# Altium PCB Battery Protector.PcbDoc (part 1 of 3)
Units mm, origin at the board's own origin, x right, y up, seen from the top; angles counter-clockwise.
Board outline 80 x 160 mm, 2 copper layers (L1 - Primary, L2 - Secondary), stack 1.65 mm thick; 434 components, 253 nets, 1087 pads, 125 vias.
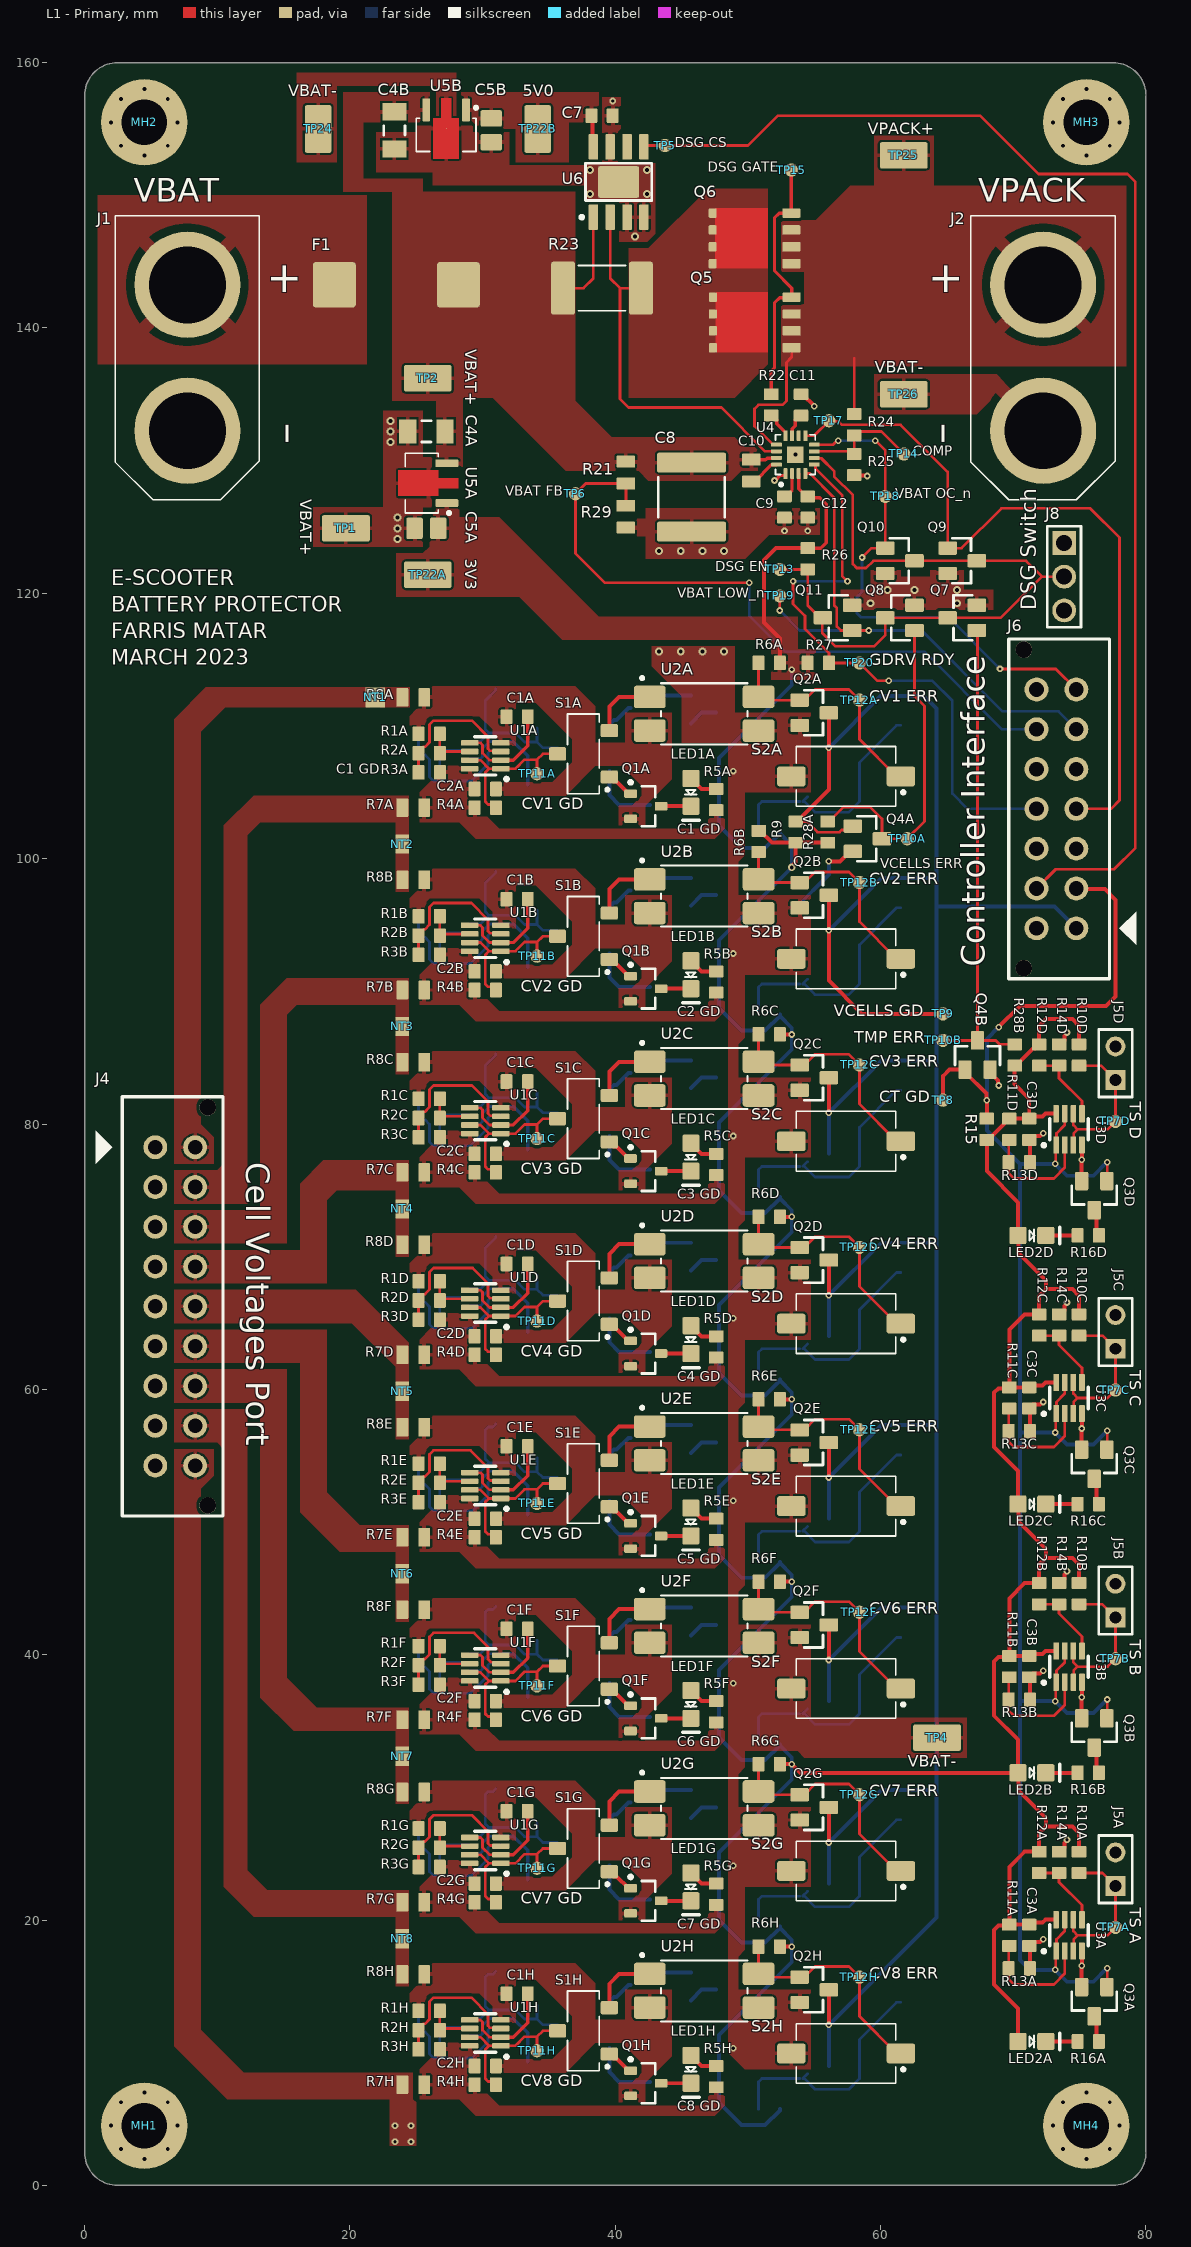
[diagram p0: L1 - Primary view]
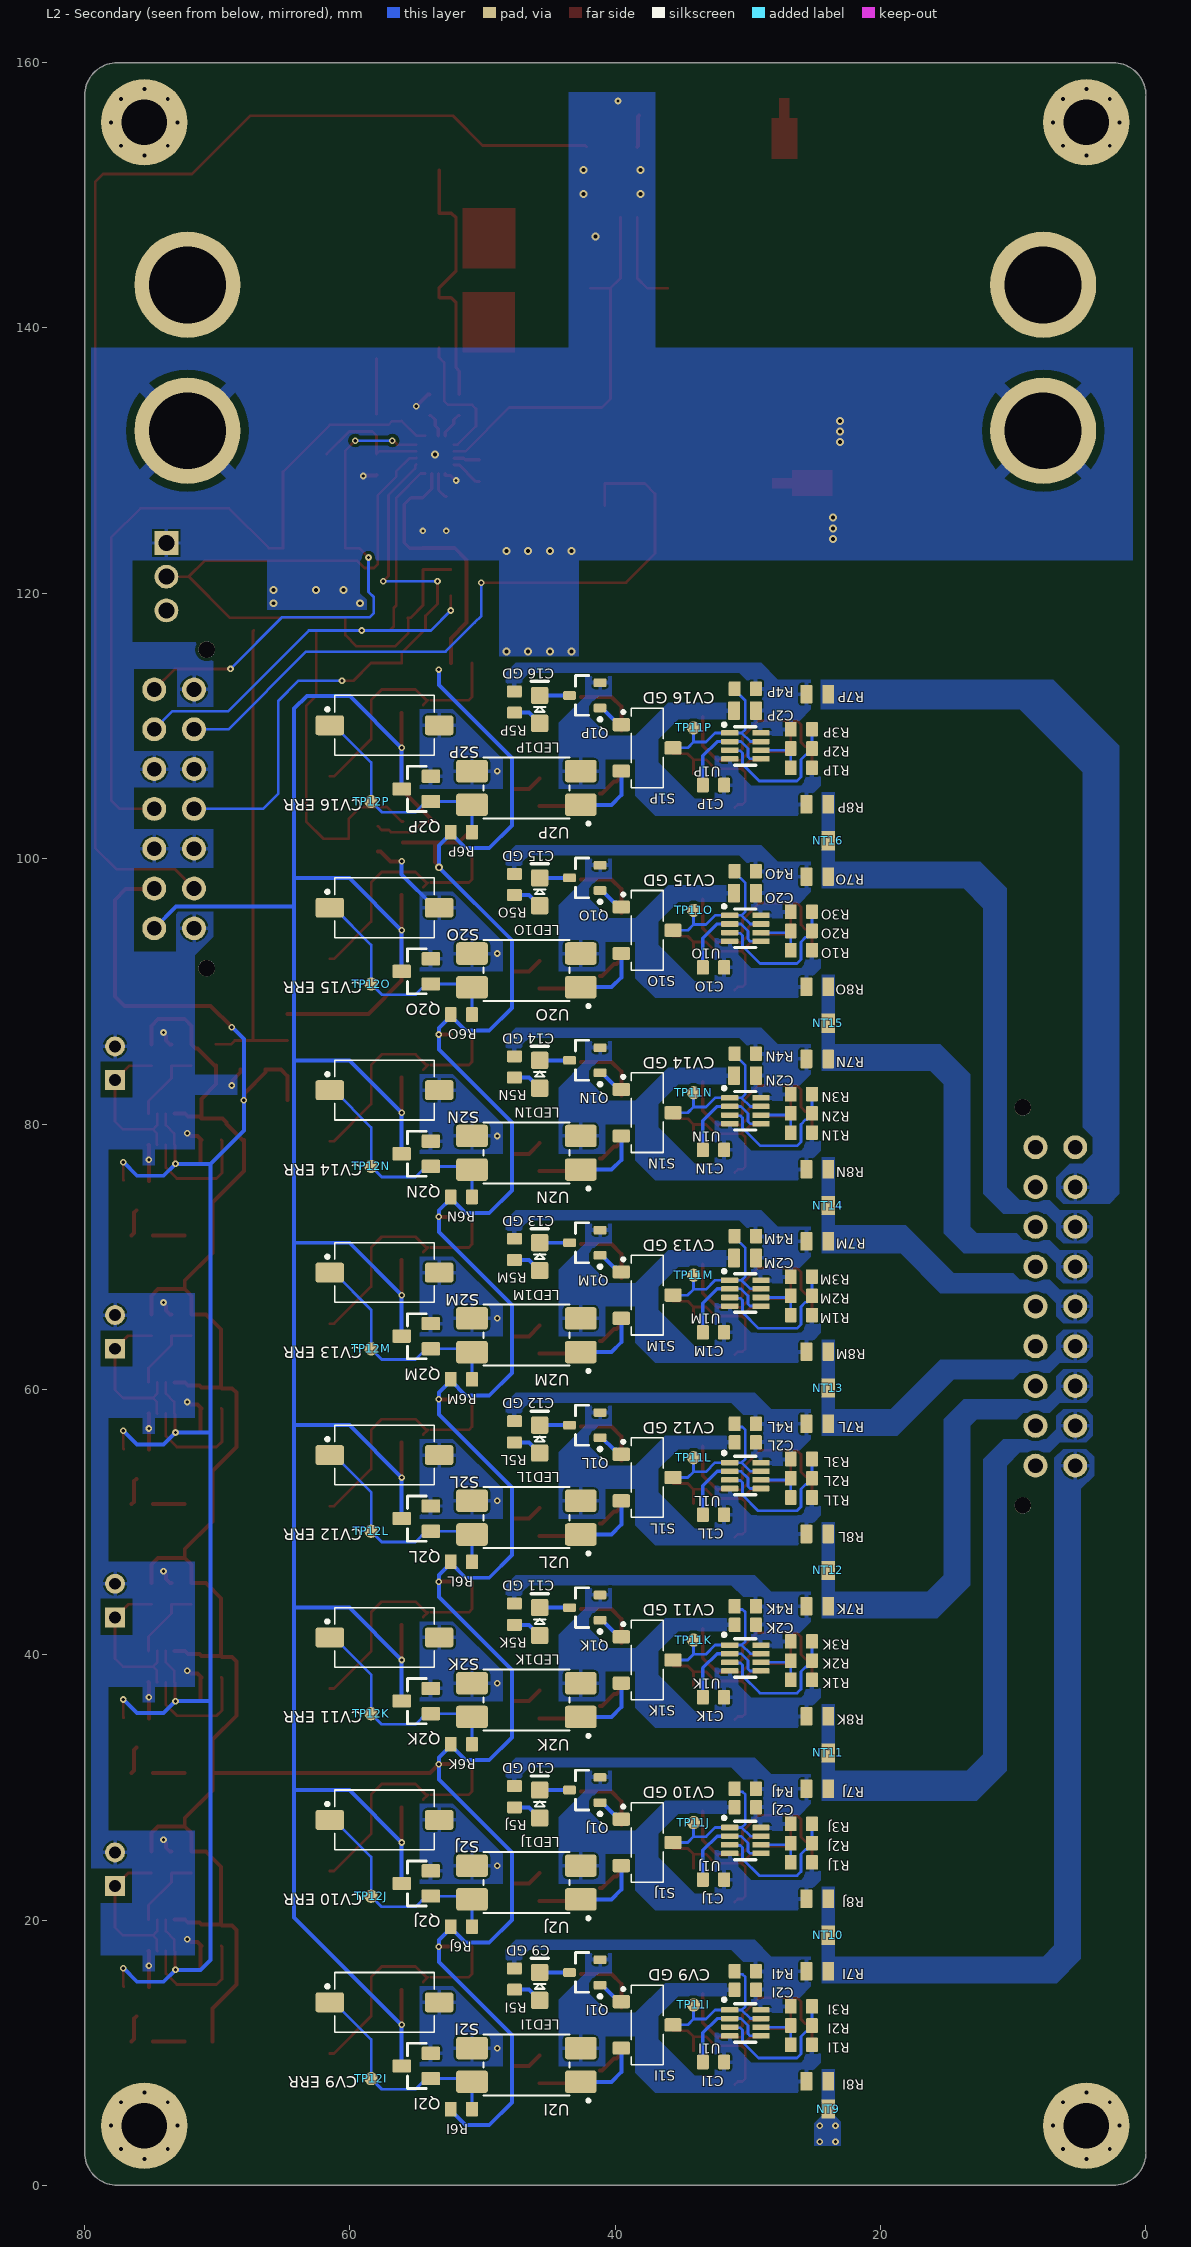
[diagram p1: L2 - Secondary view, seen from below]
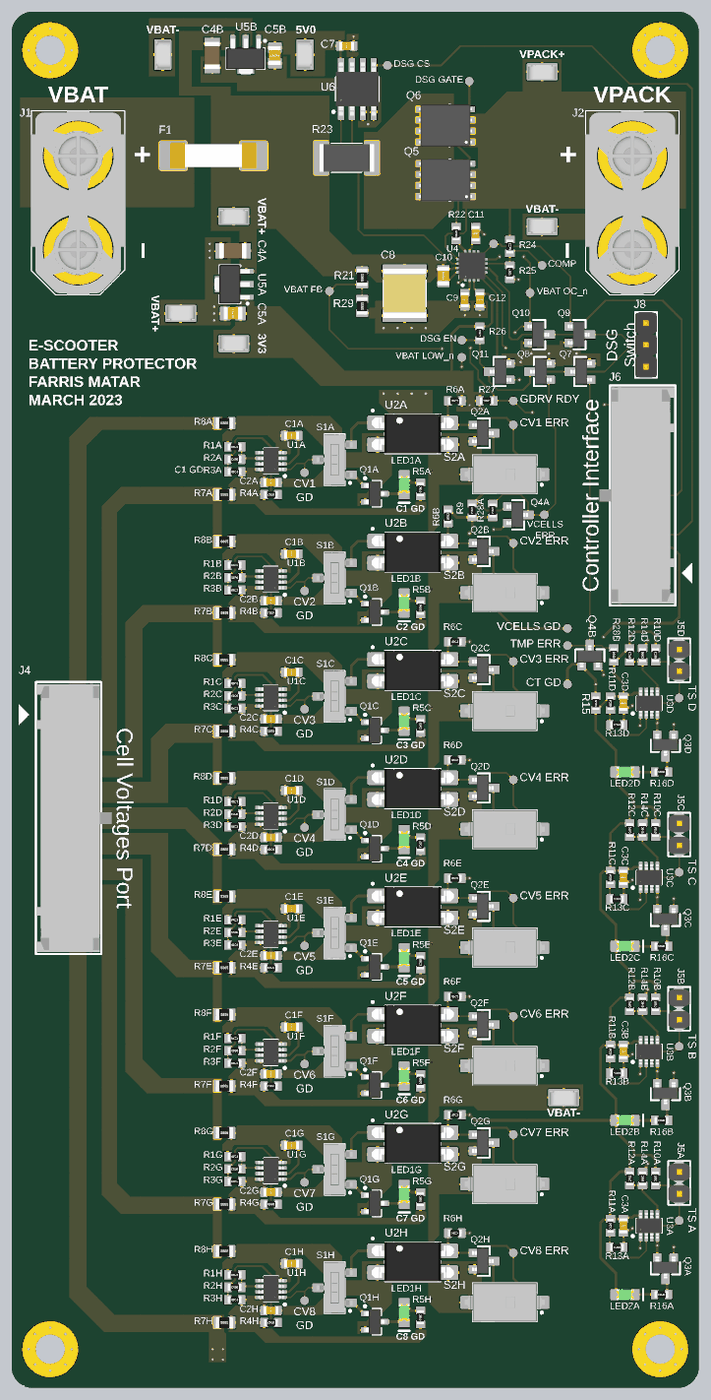
[diagram p4: 3D render of the assembled board from above, using the file's embedded part models]
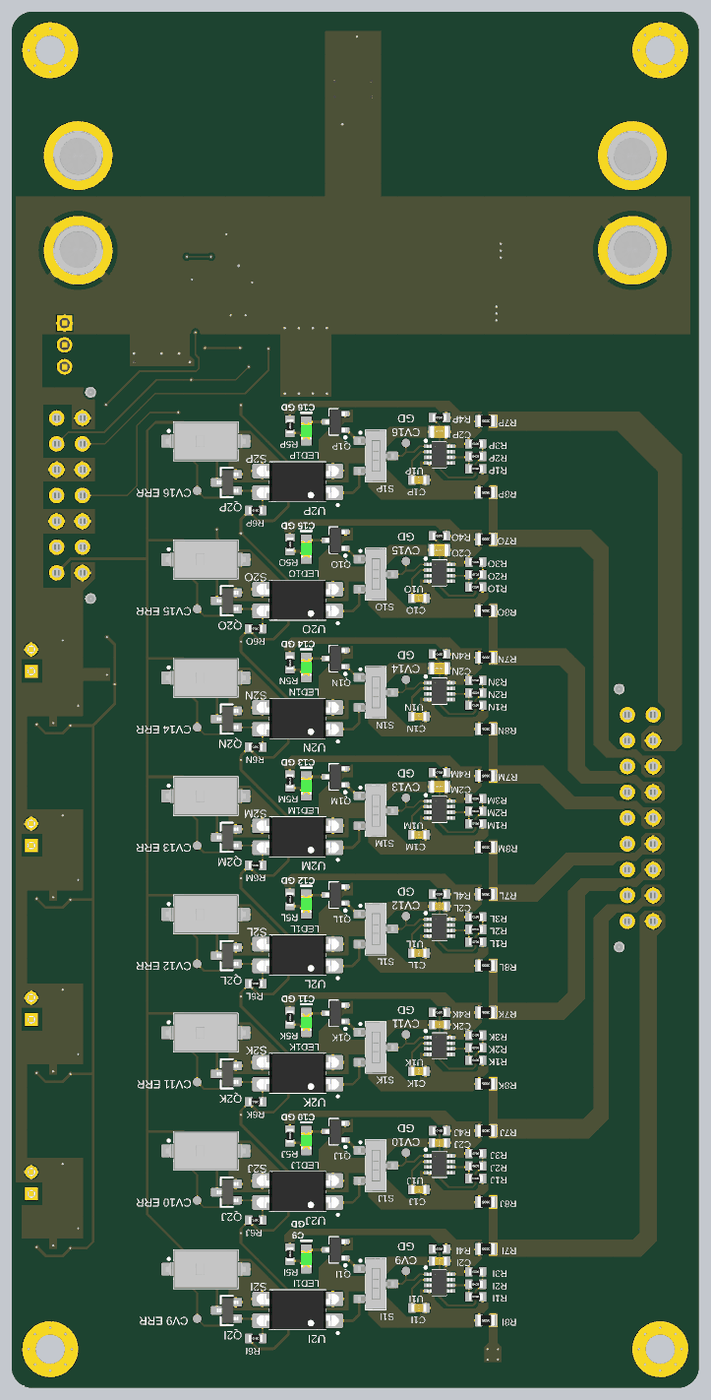
[diagram p5: 3D render of the assembled board from below, using the file's embedded part models]

## Layer stack, top to bottom
Top Solder: solder mask 0.0127, Solder Resist, Dk 3.8
L1 - Primary: signal copper 0.075
Dielectric: core 1.5, FR-4, Dk 4.5
L2 - Secondary: signal copper 0.075
Bottom Solder: solder mask 0.0127, Solder Resist, Dk 3.8

## Board outline
2.5,0 cw(c2.5,2.5) 0,2.5 0,157.5 cw(c2.5,157.5) 2.5,160 77.5,160 cw(c77.5,157.5) 80,157.5 80,2.5 cw(c77.5,2.5) 77.5,0

## Design rules (kind name [scope] priority, off if disabled: settings)
BoardOutlineClearance [All] p1: gap=0.2 ignorepadtopadclearanceinfootprint=FALSE
Clearance Clearance_NetTie [HasFootprint('NET_TIE') vs HasFootprint('NET_TIE')] p1: gap=0 ignorepadtopadclearanceinfootprint=FALSE
Clearance [All] p2: gap=0.21 ignorepadtopadclearanceinfootprint=FALSE except(0.15: SMDPad-SMDPad; 0.25: Arc-Poly Arc-Hole Track-Poly Track-Hole SMDPad-Poly SMDPad-Hole THPad-Poly THPad-Hole Via-Poly Via-Hole Fill-Poly Fill-Hole Poly-Poly Poly-Region Poly-Text Poly-Hole Region-Hole Text-Hole)
ComponentClearance [All] p1: gap=0.102 collisioncheckmode=3 verticalgap=0.102 showdistances=TRUE
DiffPairsRouting [All] p1: maxlimit=0.102 minlimit=0.102 mostfreqgap=0.102 toplayer_minwidth=0.102 toplayer_maxwidth=1816.048 toplayer_prefwidth=0.102 bottomlayer_minwidth=0.102 bottomlayer_maxwidth=1816.048 bottomlayer_prefwidth=0.102 maxuncoupledlength=12.7
Height [All] p1: minheight=0 maxheight=1816.048 prefheight=12.7
HoleSize [All] p1: absolutevalues=TRUE maxlimit=6.3 minlimit=0.2 maxpercent=80.000 minpercent=20.000
HoleToHoleClearance [All] p1: gap=0.25 allowstackedmicrovias=FALSE
MinimumAnnularRing [All] p1: minimumring=0.076
MinimumSolderMaskSliver [All] p1: minsoldermaskwidth=0
PlaneClearance [All] p1: clearance=0.102
PlaneConnect PlaneConnectPowerPads [InPadClass('PowerPads')] p1: planeconnectstyle=Direct reliefexpansion=0.508 reliefentries=4 reliefconductorwidth=0.254 reliefairgap=0.254
PlaneConnect [All] p2: pad.planeconnectstyle=Relief pad.reliefexpansion=0.3 pad.reliefentries=4 pad.reliefconductorwidth=0.102 pad.reliefairgap=0.102 via.planeconnectstyle=Direct via.reliefexpansion=0.3 via.reliefentries=4 via.reliefconductorwidth=0.127 via.reliefairgap=0.127
PolygonConnect PolygonConnectPowerPads [All vs (InPadClass('PowerPads'))] p1: connectstyle=Direct reliefconductorwidth=0.254 reliefentries=4 polygonreliefangle="90 Angle" airgapwidth=0.254
PolygonConnect [All] p2: thpad.connectstyle=Relief thpad.reliefconductorwidth=0.3 thpad.reliefentries=4 thpad.polygonreliefangle="90 Angle" thpad.airgapwidth=0.15 smdpad.connectstyle=Relief smdpad.reliefconductorwidth=0.3 smdpad.reliefentries=4 smdpad.polygonreliefangle="90 Angle" smdpad.airgapwidth=0.15 via.connectstyle=Direct via.reliefconductorwidth=0.127 via.reliefentries=4 via.polygonreliefangle="90 Angle" via.airgapwidth=0.127
RoutingVias [All] p1: holewidth=0.2 width=0.45 viastyle="Through Hole" minholewidth=0.2 minwidth=0.45 maxholewidth=6.3 maxwidth=6.55
ShortCircuit [NOT HasFootprint('NET_TIE') vs NOT HasFootprint('NET_TIE')] p1: allowed=FALSE
SilkToSilkClearance [All] p1: silktosilkclearance=0
SilkToSolderMaskClearance [IsPad] p1: minsilkscreentomaskgap=0.102 clearancetoexposedcopper=TRUE
SolderMaskExpansion [All] p1: expansion=0.075 istentingtop=FALSE
Width [All] p1: maxlimit=1816.048 minlimit=0.204 preferedwidth=0.204 minimp=50.000000 maximp=50.000000 favimp=50.000000
19 further rules are at their usual default settings.

## Classes and differential pairs
channel class Logic_Inverter: "Inverter A" "Inverter B"
channel class Cell_Volt_Comparator: "Cell Voltage Comparator1" "Cell Voltage Comparator2" "Cell Voltage Comparator3" "Cell Voltage Comparator4" "Cell Voltage Comparator5" "Cell Voltage Comparator6" "Cell Voltage Comparator7" "Cell Voltage Comparator8" "Cell Voltage Comparator9" "Cell Voltage Comparator10" "Cell Voltage Comparator11" "Cell Voltage Comparator12" "Cell Voltage Comparator13" "Cell Voltage Comparator14" "Cell Voltage Comparator15" "Cell Voltage Comparator16"
channel class Cell_Temp_Comparator: "Battery Temperature Comparator1" "Battery Temperature Comparator2" "Battery Temperature Comparator3" "Battery Temperature Comparator4"
channel class AP7387Q: "Power 3V3" "Power 5V0"
net class VEE[1..16]: VEE1 VEE2 VEE3 VEE4 VEE5 VEE6 VEE7 VEE8 VEE9 VEE10 VEE11 VEE12 VEE13 VEE14 VEE15 VEE16
net class CELL_V[1..16]: CELL_V1 CELL_V2 CELL_V3 CELL_V4 CELL_V5 CELL_V6 CELL_V7 CELL_V8 CELL_V9 CELL_V10 CELL_V11 CELL_V12 CELL_V13 CELL_V14 CELL_V15 CELL_V16
component class Top: J2 J6 MH1 MH2 MH3 MH4 R9 R15 R27 TP4 TP8 TP9
component class "Power 5V0": C4B C5B TP22B U5B
component class "Power 3V3": C4A C5A TP22A U5A
component class "Inverter B": Q4B R28B TP10B
component class "Inverter A": Q4A R28A TP10A
component class "Discharge Load Switch": C8 C9 C10 C11 C12 J8 Q5 Q6 Q7 Q8 Q9 Q10 Q11 R22 R23 R24 R25 R26 TP13 TP14 TP15 TP17 TP18 TP19 TP20 TP25 TP26 U4
component class "Discharge Current Sense": C7 TP5 TP24 U6
component class "Cell Voltage Comparator16": C1P C2P LED1P Q1P Q2P R1P R2P R3P R4P R5P R6P R7P R8P S1P S2P TP11P TP12P U1P U2P
component class "Cell Voltage Comparator15": C1O C2O LED1O Q1O Q2O R1O R2O R3O R4O R5O R6O R7O R8O S1O S2O TP11O TP12O U1O U2O
component class "Cell Voltage Comparator14": C1N C2N LED1N Q1N Q2N R1N R2N R3N R4N R5N R6N R7N R8N S1N S2N TP11N TP12N U1N U2N
component class "Cell Voltage Comparator13": C1M C2M LED1M Q1M Q2M R1M R2M R3M R4M R5M R6M R7M R8M S1M S2M TP11M TP12M U1M U2M
component class "Cell Voltage Comparator12": C1L C2L LED1L Q1L Q2L R1L R2L R3L R4L R5L R6L R7L R8L S1L S2L TP11L TP12L U1L U2L
component class "Cell Voltage Comparator11": C1K C2K LED1K Q1K Q2K R1K R2K R3K R4K R5K R6K R7K R8K S1K S2K TP11K TP12K U1K U2K
component class "Cell Voltage Comparator10": C1J C2J LED1J Q1J Q2J R1J R2J R3J R4J R5J R6J R7J R8J S1J S2J TP11J TP12J U1J U2J
component class "Cell Voltage Comparator9": C1I C2I LED1I Q1I Q2I R1I R2I R3I R4I R5I R6I R7I R8I S1I S2I TP11I TP12I U1I U2I
component class "Cell Voltage Comparator8": C1H C2H LED1H Q1H Q2H R1H R2H R3H R4H R5H R6H R7H R8H S1H S2H TP11H TP12H U1H U2H
component class "Cell Voltage Comparator7": C1G C2G LED1G Q1G Q2G R1G R2G R3G R4G R5G R6G R7G R8G S1G S2G TP11G TP12G U1G U2G
component class "Cell Voltage Comparator6": C1F C2F LED1F Q1F Q2F R1F R2F R3F R4F R5F R6F R7F R8F S1F S2F TP11F TP12F U1F U2F
component class "Cell Voltage Comparator5": C1E C2E LED1E Q1E Q2E R1E R2E R3E R4E R5E R6E R7E R8E S1E S2E TP11E TP12E U1E U2E
component class "Cell Voltage Comparator4": C1D C2D LED1D Q1D Q2D R1D R2D R3D R4D R5D R6D R7D R8D S1D S2D TP11D TP12D U1D U2D
component class "Cell Voltage Comparator3": C1C C2C LED1C Q1C Q2C R1C R2C R3C R4C R5C R6C R7C R8C S1C S2C TP11C TP12C U1C U2C
component class "Cell Voltage Comparator2": C1B C2B LED1B Q1B Q2B R1B R2B R3B R4B R5B R6B R7B R8B S1B S2B TP11B TP12B U1B U2B
component class "Cell Voltage Comparator1": C1A C2A LED1A Q1A Q2A R1A R2A R3A R4A R5A R6A R7A R8A S1A S2A TP11A TP12A U1A U2A
component class "Battery Temperature Comparator4": C3D J5D LED2D Q3D R10D R11D R12D R13D R14D R16D TP7D U3D
component class "Battery Temperature Comparator3": C3C J5C LED2C Q3C R10C R11C R12C R13C R14C R16C TP7C U3C
component class "Battery Temperature Comparator2": C3B J5B LED2B Q3B R10B R11B R12B R13B R14B R16B TP7B U3B
component class "Battery Temperature Comparator1": C3A J5A LED2A Q3A R10A R11A R12A R13A R14A R16A TP7A U3A
component class "Battery Interface": av F1 J1 J4 NT1 NT2 NT3 NT4 NT5 NT6 NT7 NT8 NT9 NT10 NT11 NT12 NT13 NT14 NT15 NT16 R21 R29 TP1 TP2 TP6

## Components (designator, comment, footprint, x,y, rotation, side; value= is the part's Value field where it differs from the comment)
C1A "CAP_0.01uF_100V_0603" CAP0603 32.6,110.7 r0 top value=0.01μF (schematic designator C1)
C1B "CAP_0.01uF_100V_0603" CAP0603 32.6,96.95 r0 top value=0.01μF (schematic designator C1)
C1C "CAP_0.01uF_100V_0603" CAP0603 32.6,83.2 r0 top value=0.01μF (schematic designator C1)
C1D "CAP_0.01uF_100V_0603" CAP0603 32.6,69.45 r0 top value=0.01μF (schematic designator C1)
C1E "CAP_0.01uF_100V_0603" CAP0603 32.6,55.7 r0 top value=0.01μF (schematic designator C1)
C1F "CAP_0.01uF_100V_0603" CAP0603 32.6,41.95 r0 top value=0.01μF (schematic designator C1)
C1G "CAP_0.01uF_100V_0603" CAP0603 32.6,28.2 r0 top value=0.01μF (schematic designator C1)
C1H "CAP_0.01uF_100V_0603" CAP0603 32.6,14.45 r0 top value=0.01μF (schematic designator C1)
C1I "CAP_0.01uF_100V_0603" CAP0603 32.6,9.3 r0 bottom value=0.01μF (schematic designator C1)
C1J "CAP_0.01uF_100V_0603" CAP0603 32.6,23.05 r0 bottom value=0.01μF (schematic designator C1)
C1K "CAP_0.01uF_100V_0603" CAP0603 32.6,36.8 r0 bottom value=0.01μF (schematic designator C1)
C1L "CAP_0.01uF_100V_0603" CAP0603 32.6,50.55 r0 bottom value=0.01μF (schematic designator C1)
C1M "CAP_0.01uF_100V_0603" CAP0603 32.6,64.3 r0 bottom value=0.01μF (schematic designator C1)
C1N "CAP_0.01uF_100V_0603" CAP0603 32.6,78.05 r0 bottom value=0.01μF (schematic designator C1)
C1O "CAP_0.01uF_100V_0603" CAP0603 32.6,91.8 r0 bottom value=0.01μF (schematic designator C1)
C1P "CAP_0.01uF_100V_0603" CAP0603 32.6,105.55 r0 bottom value=0.01μF (schematic designator C1)
C2A "CAP_0.1uF_50V_0603" CAP0603 30.2,105.25 r180 top value=0.1μF (schematic designator C2)
C2B "CAP_0.1uF_50V_0603" CAP0603 30.2,91.5 r180 top value=0.1μF (schematic designator C2)
C2C "CAP_0.1uF_50V_0603" CAP0603 30.2,77.75 r180 top value=0.1μF (schematic designator C2)
C2D "CAP_0.1uF_50V_0603" CAP0603 30.2,64 r180 top value=0.1μF (schematic designator C2)
C2E "CAP_0.1uF_50V_0603" CAP0603 30.2,50.25 r180 top value=0.1μF (schematic designator C2)
C2F "CAP_0.1uF_50V_0603" CAP0603 30.2,36.5 r180 top value=0.1μF (schematic designator C2)
C2G "CAP_0.1uF_50V_0603" CAP0603 30.2,22.75 r180 top value=0.1μF (schematic designator C2)
C2H "CAP_0.1uF_50V_0603" CAP0603 30.2,9 r180 top value=0.1μF (schematic designator C2)
C2I "CAP_0.1uF_50V_0603" CAP0603 30.2,14.75 r180 bottom value=0.1μF (schematic designator C2)
C2J "CAP_0.1uF_50V_0603" CAP0603 30.2,28.5 r180 bottom value=0.1μF (schematic designator C2)
C2K "CAP_0.1uF_50V_0603" CAP0603 30.2,42.25 r180 bottom value=0.1μF (schematic designator C2)
C2L "CAP_0.1uF_50V_0603" CAP0603 30.2,56 r180 bottom value=0.1μF (schematic designator C2)
C2M "CAP_0.1uF_100V_0805" CAP0805 30.225,69.9 r180 bottom (schematic designator C2)
C2N "CAP_0.1uF_100V_0805" CAP0805 30.225,83.65 r180 bottom (schematic designator C2)
C2O "CAP_0.1uF_100V_0805" CAP0805 30.225,97.4 r180 bottom (schematic designator C2)
C2P "CAP_0.1uF_100V_0805" CAP0805 30.225,111.15 r180 bottom (schematic designator C2)
C3A "CAP_0.1uF_50V_0603" CAP0603 71.2,18.85 r90 top value=0.1μF (schematic designator C3)
C3B "CAP_0.1uF_50V_0603" CAP0603 71.2,39.1 r90 top value=0.1μF (schematic designator C3)
C3C "CAP_0.1uF_50V_0603" CAP0603 71.2,59.35 r90 top value=0.1μF (schematic designator C3)
C3D "CAP_0.1uF_50V_0603" CAP0603 71.2,79.6 r90 top value=0.1μF (schematic designator C3)
C4A "CAP_1uF_100V_1206" CAPC3216X190X50NL20T25 25.765,132.2 r0 top value=1μF (schematic designator C4)
C4B "CAP_1uF_100V_1206" CAPC3216X190X50NL20T25 23.35,154.895 r90 top value=1μF (schematic designator C4)
C5A "CAP_10uF_16V_0805" CAP2012 25.765,124.9 r0 top value=10μF (schematic designator C5)
C5B "CAP_10uF_16V_0805" CAP2012 30.65,154.895 r90 top value=10μF (schematic designator C5)
C7 "CAP_0.1uF_50V_0603" CAP0603 39,156 r0 top value=0.1μF
C8 "CAP_10μF_100V_2220" CAP2220 45.75,127.25 r90 top value=10μF
C9 "CAP_1uF_25V_0603" CAP0603 52.75,126.5 r90 top value=1μF
C10 "CAP_1uF_16V_0805" CAP0805 50.25,129.25 r270 top value=1μF
C11 "CAP_0.47uF_25V_0603" CAP0603 54,134.2 r270 top value=0.47µF
C12 "CAP_0.1uF_16V_0603" CAP0603 54.5,126.5 r90 top value=0.1μF
F1 "FUSE_60A_3812" FUSE_3812_BOURNS 23.5,143.25 r0 top
J1 "CON_2POS_XT90" XT90 7.75,137.75 r270 top
J2 "CON_2POS_XT90" XT90 72.25,137.75 r270 top
J4 "0430451827" MOLEX-0430451827 6.83,66.25 r270 top
J5A "HEADER 2x1" HDR1X2 77.7,22.56 r90 top (schematic designator J5)
J5B "HEADER 2x1" HDR1X2 77.7,42.81 r90 top (schematic designator J5)
J5C "HEADER 2x1" HDR1X2 77.7,63.06 r90 top (schematic designator J5)
J5D "HEADER 2x1" HDR1X2 77.7,83.31 r90 top (schematic designator J5)
J6 "0430451427" MOLEX-0430451427 73.25,103.75 r90 top
J8 "HEADER 3x1" HDR1X3 73.835,121.25 r270 top
LED1A "LED_GREEN" LED_0805_GREEN 45.7,105 r270 top (schematic designator LED1)
LED1B "LED_GREEN" LED_0805_GREEN 45.7,91.25 r270 top (schematic designator LED1)
LED1C "LED_GREEN" LED_0805_GREEN 45.7,77.5 r270 top (schematic designator LED1)
LED1D "LED_GREEN" LED_0805_GREEN 45.7,63.75 r270 top (schematic designator LED1)
LED1E "LED_GREEN" LED_0805_GREEN 45.7,50 r270 top (schematic designator LED1)
LED1F "LED_GREEN" LED_0805_GREEN 45.7,36.25 r270 top (schematic designator LED1)
LED1G "LED_GREEN" LED_0805_GREEN 45.7,22.5 r270 top (schematic designator LED1)
LED1H "LED_GREEN" LED_0805_GREEN 45.7,8.75 r270 top (schematic designator LED1)
LED1I "LED_GREEN" LED_0805_GREEN 45.7,15 r90 bottom (schematic designator LED1)
LED1J "LED_GREEN" LED_0805_GREEN 45.7,28.75 r90 bottom (schematic designator LED1)
LED1K "LED_GREEN" LED_0805_GREEN 45.7,42.5 r90 bottom (schematic designator LED1)
LED1L "LED_GREEN" LED_0805_GREEN 45.7,56.25 r90 bottom (schematic designator LED1)
LED1M "LED_GREEN" LED_0805_GREEN 45.7,70 r90 bottom (schematic designator LED1)
LED1N "LED_GREEN" LED_0805_GREEN 45.7,83.75 r90 bottom (schematic designator LED1)
LED1O "LED_GREEN" LED_0805_GREEN 45.7,97.5 r90 bottom (schematic designator LED1)
LED1P "LED_GREEN" LED_0805_GREEN 45.7,111.25 r90 bottom (schematic designator LED1)
LED2A "LED_GREEN" LED_0805_GREEN 71.4,10.85 r0 top (schematic designator LED2)
LED2B "LED_GREEN" LED_0805_GREEN 71.4,31.1 r0 top (schematic designator LED2)
LED2C "LED_GREEN" LED_0805_GREEN 71.4,51.35 r0 top (schematic designator LED2)
LED2D "LED_GREEN" LED_0805_GREEN 71.4,71.6 r0 top (schematic designator LED2)
MH1 "MOUNTING_HOLE_M3" MOUNTING_HOLE_3mm 4.5,4.5 r0 top
MH2 "MOUNTING_HOLE_M3" MOUNTING_HOLE_3mm 4.5,155.5 r0 top
MH3 "MOUNTING_HOLE_M3" MOUNTING_HOLE_3mm 75.5,155.5 r0 top
MH4 "MOUNTING_HOLE_M3" MOUNTING_HOLE_3mm 75.5,4.5 r0 top
NT1 "NetTie" NET_TIE#1 21.9,112.15 r0 top
NT2 "NetTie" NET_TIE#2 23.95,101.1 r270 top
NT3 "NetTie" NET_TIE#2 23.95,87.35 r270 top
NT4 "NetTie" NET_TIE#2 23.95,73.6 r270 top
NT5 "NetTie" NET_TIE#2 23.95,59.85 r270 top
NT6 "NetTie" NET_TIE#2 23.95,46.1 r270 top
NT7 "NetTie" NET_TIE#2 23.95,32.35 r270 top
NT8 "NetTie" NET_TIE#2 23.95,18.6 r270 top
NT9 "NetTie" NET_TIE#2 23.95,5.75 r90 bottom
NT10 "NetTie" NET_TIE#2 23.95,18.85 r90 bottom
NT11 "NetTie" NET_TIE#2 23.95,32.6 r90 bottom
NT12 "NetTie" NET_TIE#2 23.95,46.35 r90 bottom
NT13 "NetTie" NET_TIE#2 23.95,60.1 r90 bottom
NT14 "NetTie" NET_TIE#2 23.95,73.85 r90 bottom
NT15 "NetTie" NET_TIE#2 23.95,87.6 r90 bottom
NT16 "NetTie" NET_TIE#2 23.95,101.35 r90 bottom
Q1A "NPN_40V_100mA" SOT23-3 42.3,103.95 r0 top (schematic designator Q1)
Q1B "NPN_40V_100mA" SOT23-3 42.3,90.2 r0 top (schematic designator Q1)
Q1C "NPN_40V_100mA" SOT23-3 42.3,76.45 r0 top (schematic designator Q1)
Q1D "NPN_40V_100mA" SOT23-3 42.3,62.7 r0 top (schematic designator Q1)
Q1E "NPN_40V_100mA" SOT23-3 42.3,48.95 r0 top (schematic designator Q1)
Q1F "NPN_40V_100mA" SOT23-3 42.3,35.2 r0 top (schematic designator Q1)
Q1G "NPN_40V_100mA" SOT23-3 42.3,21.45 r0 top (schematic designator Q1)
Q1H "NPN_40V_100mA" SOT23-3 42.3,7.7 r0 top (schematic designator Q1)
Q1I "NPN_40V_100mA" SOT23-3 42.3,16.05 r0 bottom (schematic designator Q1)
Q1J "NPN_40V_100mA" SOT23-3 42.3,29.8 r0 bottom (schematic designator Q1)
Q1K "NPN_40V_100mA" SOT23-3 42.3,43.55 r0 bottom (schematic designator Q1)
Q1L "NPN_40V_100mA" SOT23-3 42.3,57.3 r0 bottom (schematic designator Q1)
Q1M "NPN_40V_100mA" SOT23-3 42.3,71.05 r0 bottom (schematic designator Q1)
Q1N "NPN_40V_100mA" SOT23-3 42.3,84.8 r0 bottom (schematic designator Q1)
Q1O "NPN_40V_100mA" SOT23-3 42.3,98.55 r0 bottom (schematic designator Q1)
Q1P "NPN_40V_100mA" SOT23-3 42.3,112.3 r0 bottom (schematic designator Q1)
Q2A "NMOS_60V_380mA" NMOS_SSOT-3 55,110.992 r270 top (schematic designator Q2)
Q2B "NMOS_60V_380mA" NMOS_SSOT-3 55,97.242 r270 top (schematic designator Q2)
Q2C "NMOS_60V_380mA" NMOS_SSOT-3 55,83.492 r270 top (schematic designator Q2)
Q2D "NMOS_60V_380mA" NMOS_SSOT-3 55,69.742 r270 top (schematic designator Q2)
Q2E "NMOS_60V_380mA" NMOS_SSOT-3 55,55.992 r270 top (schematic designator Q2)
Q2F "NMOS_60V_380mA" NMOS_SSOT-3 55,42.242 r270 top (schematic designator Q2)
Q2G "NMOS_60V_380mA" NMOS_SSOT-3 55,28.492 r270 top (schematic designator Q2)
Q2H "NMOS_60V_380mA" NMOS_SSOT-3 55,14.742 r270 top (schematic designator Q2)